# Altium PCB transmitter.PcbDoc
Units mil, origin at the board's own origin, x right, y up, seen from the top; angles counter-clockwise.
Board outline 2385 x 2355 mil, 2 copper layers (Top Layer, Bottom Layer); 6 components, 13 nets, 65 pads, 0 vias.
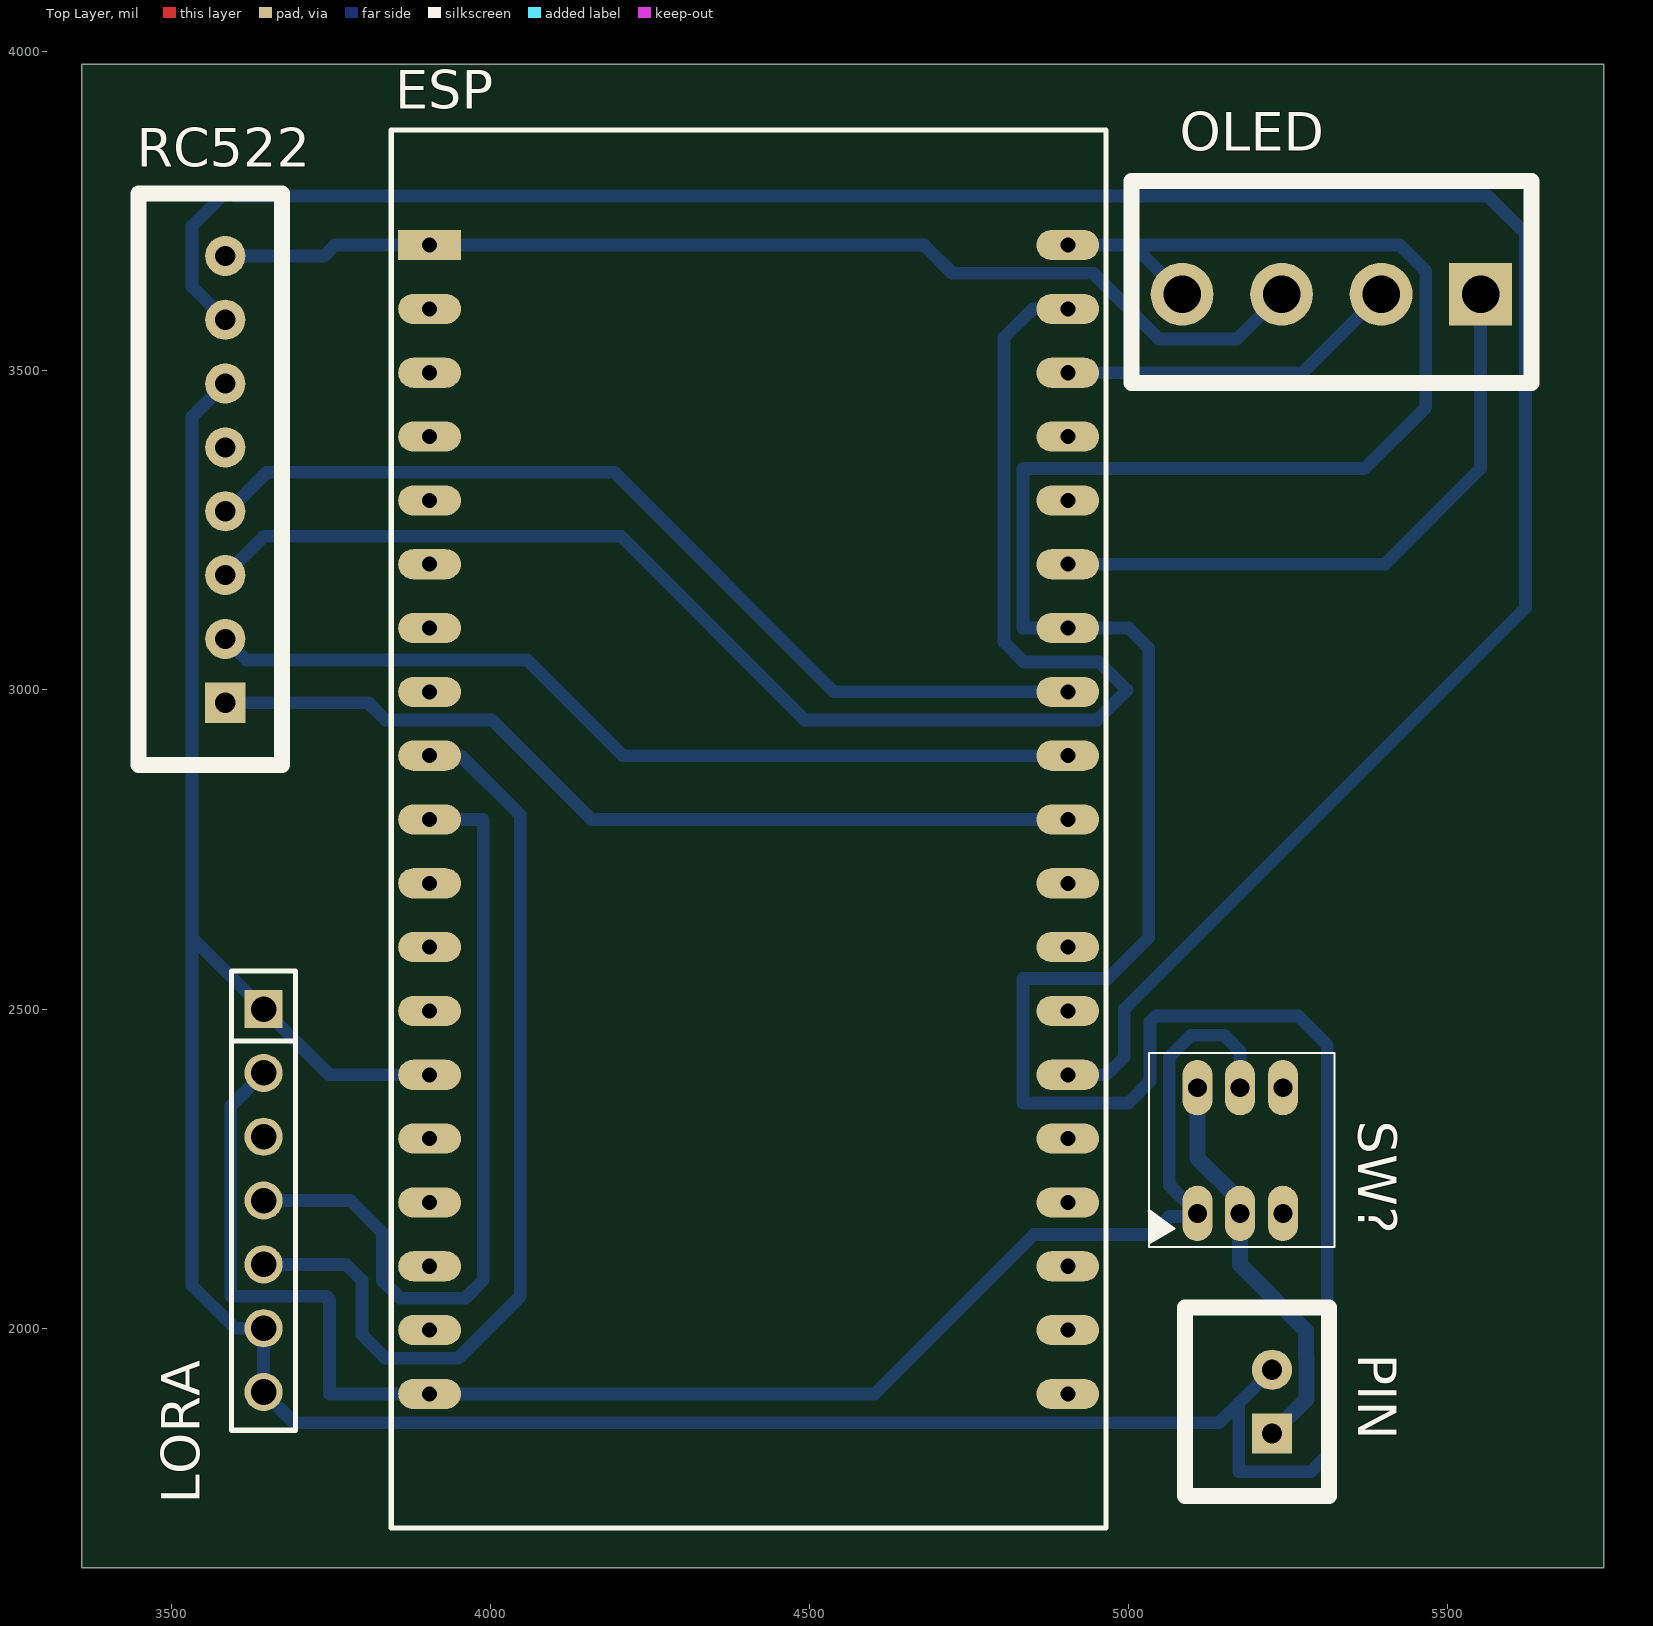
[diagram p0: Top Layer view]
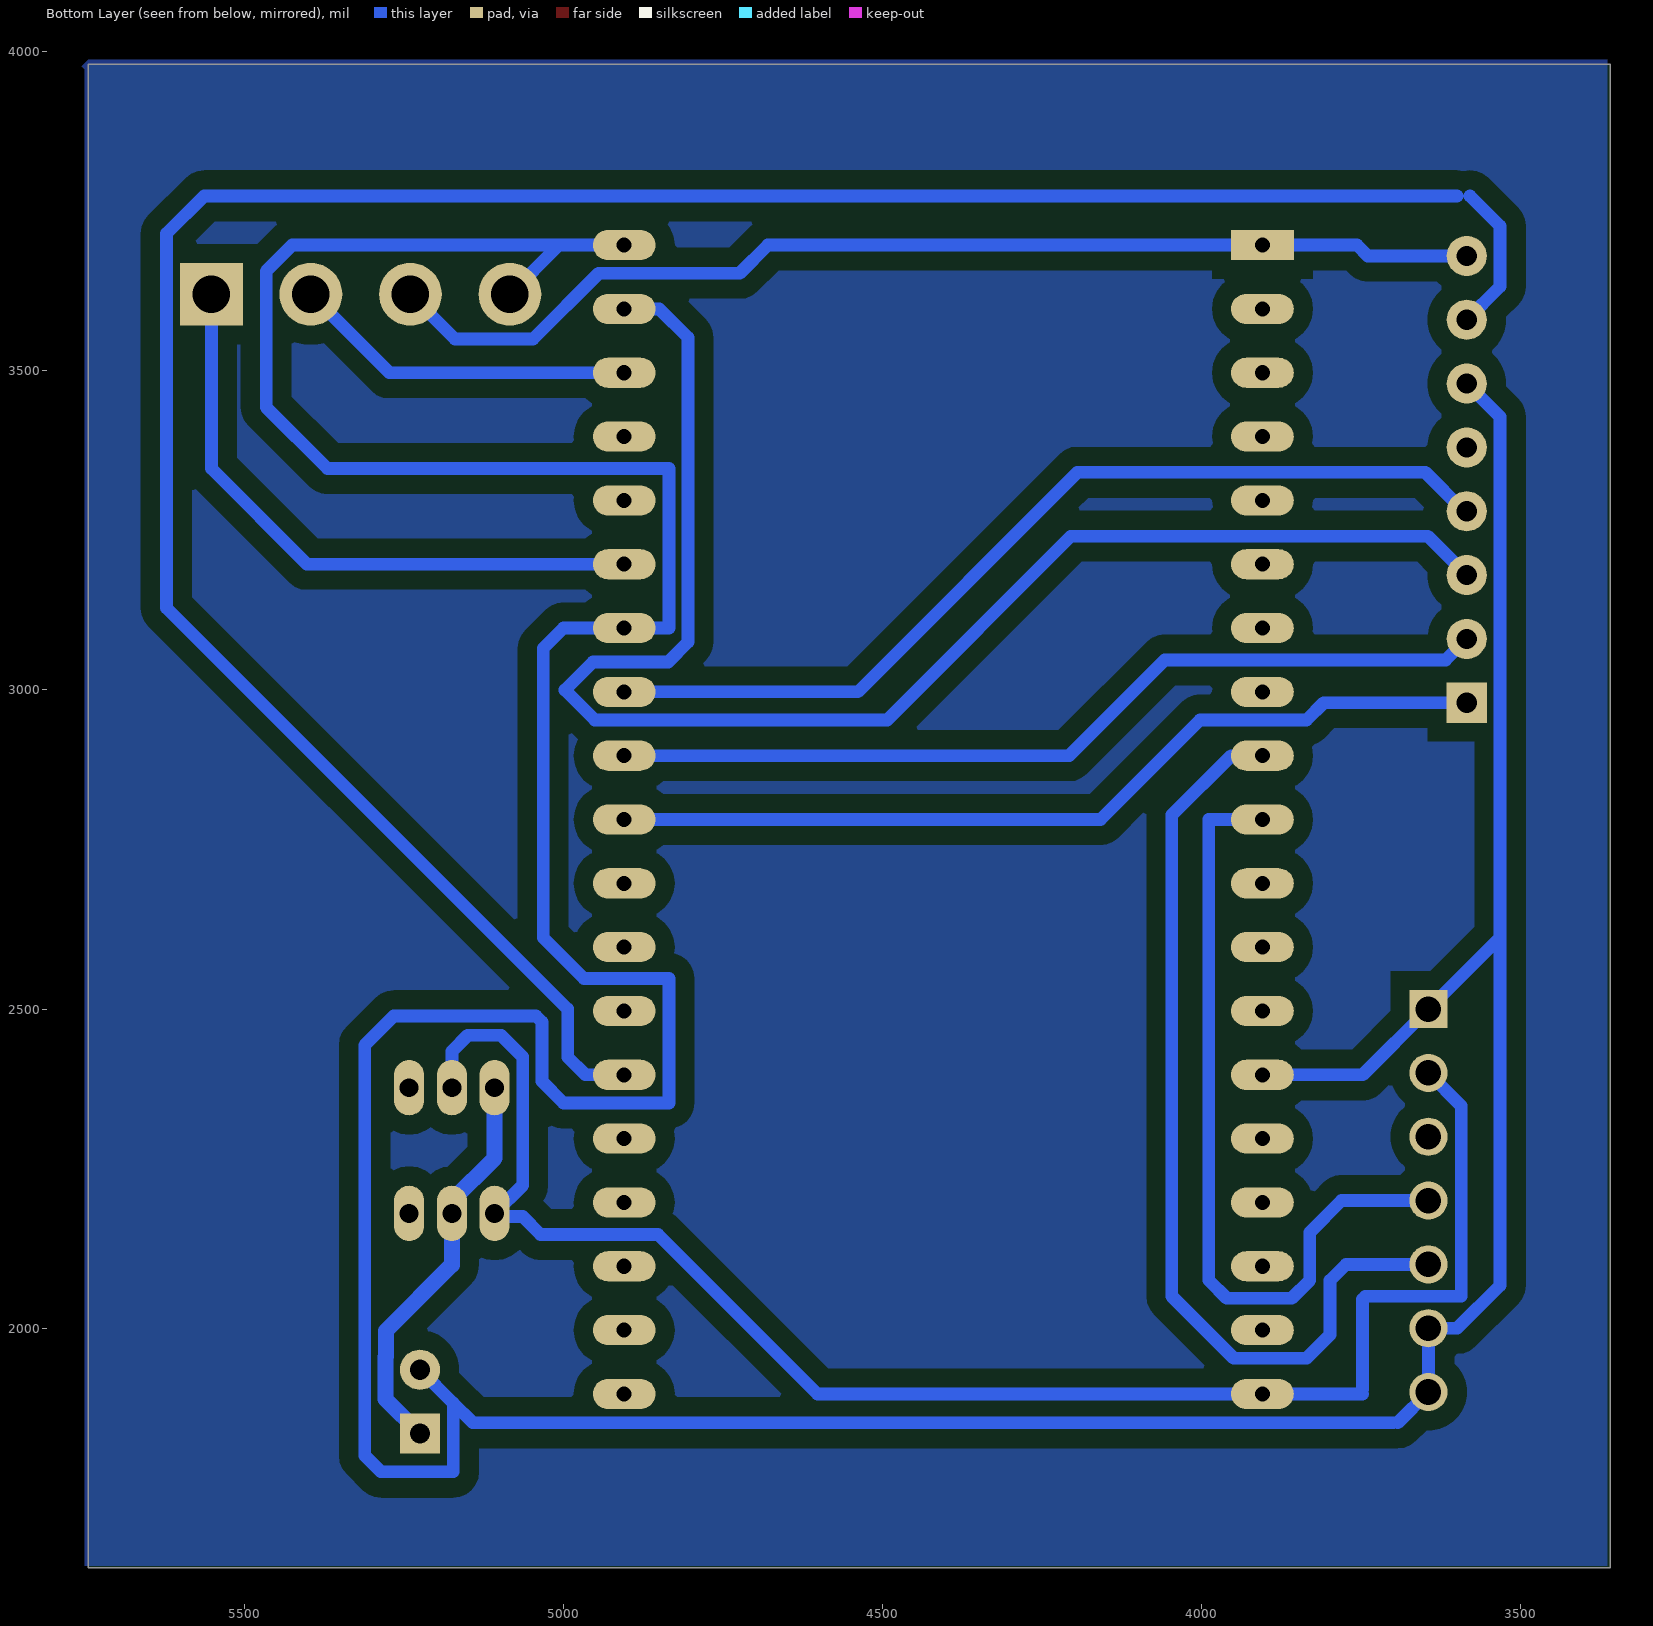
[diagram p1: Bottom Layer view, seen from below]
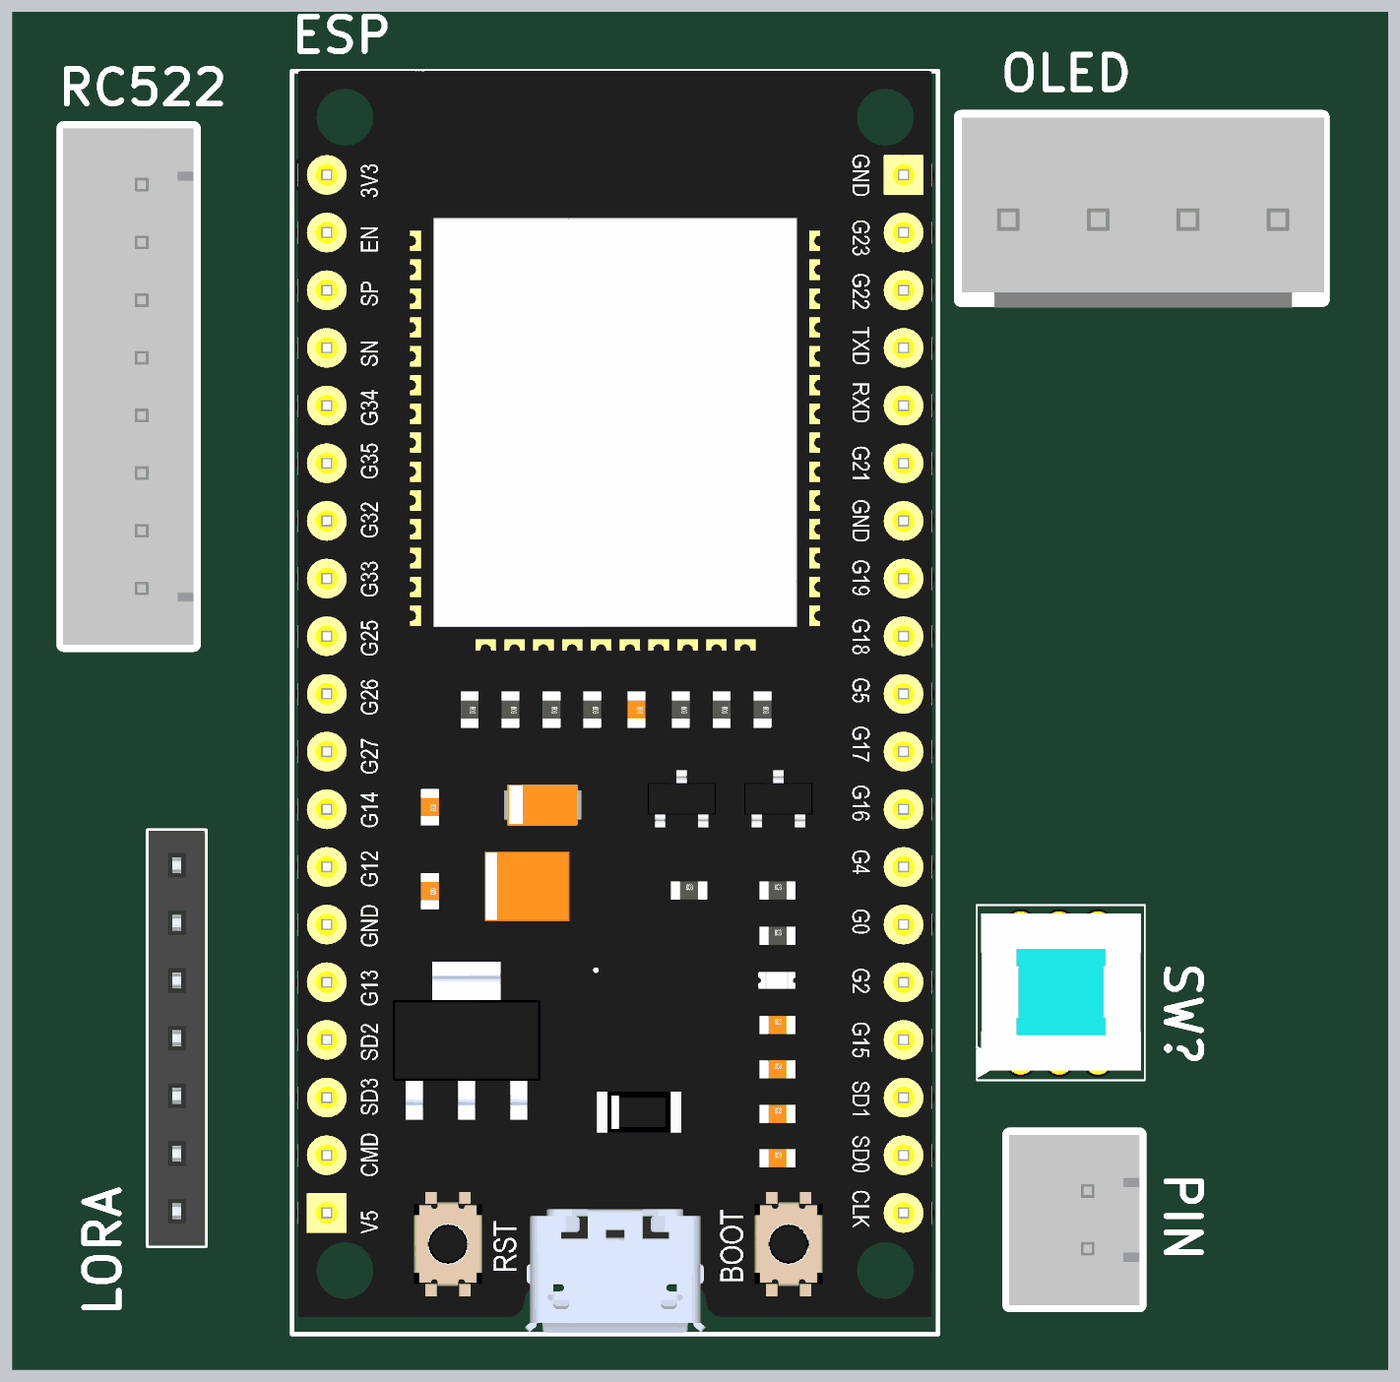
[diagram p2: 3D render of the assembled board from above, using the file's embedded part models]

## Layer stack, top to bottom
Top Solder: solder mask 0.4, Solder Resist, Dk 3.5
Top Layer: signal copper 1.4
Dielectric 1: dielectric 12.6, FR-4, Dk 4.8
Bottom Layer: signal copper 1.4
Bottom Solder: solder mask 0.4, Solder Resist, Dk 3.5

## Board outline
3360,1625 5745,1625 5745,3980 3360,3980

## Design rules (kind name [scope] priority, off if disabled: settings)
Clearance [All] p1: gap=10 ignorepadtopadclearanceinfootprint=FALSE except(0: Arc-Hole Track-Hole SMDPad-Hole THPad-Hole Via-Hole Fill-Hole Poly-Hole Region-Hole Text-Hole; 30: Arc-Fill Arc-Poly Arc-Region Track-Fill Track-Poly Track-Region SMDPad-Fill SMDPad-Poly SMDPad-Region THPad-Fill THPad-Poly THPad-Region Via-Fill Via-Poly Via-Region Fill-Fill Fill-Poly Fill-Region Poly-Poly Poly-Region Region-Region)
PolygonConnect [All] p1: connectstyle=Relief reliefconductorwidth=10 reliefentries=4 polygonreliefangle="90 Angle" airgapwidth=10
RoutingLayers [All] p1: top layer_v5=FALSE bottom layer_v5=TRUE
RoutingVias [All] p1: holewidth=15.75 width=31.5 viastyle="Through Hole" minholewidth=15.75 minwidth=31.5 maxholewidth=15.75 maxwidth=31.5
SolderMaskExpansion [All] p1: expansion=4 istentingtop=FALSE
Width [All] p1: maxlimit=25 minlimit=20 preferedwidth=20
29 further rules are at their usual default settings.

## Classes and differential pairs
component class Sheet2: ESP LORA PIN RC522 SW?

## Components (designator, comment, footprint, x,y, rotation, side; value= is the part's Value field where it differs from the comment)
ESP "ESP32 DEV KIT" "ESP32 DEVKIT" 3905,3697.05 r0 top (schematic designator *)
LORA "Lora E32" "JP 1x7 CT" 3645,2500 r270 top (schematic designator JP?)
OLED "Oled" VH3.96M-4 5473.86,3620 r180 top (schematic designator H?)
PIN "Header 2P 2.54 Duc Thang" XH2.54M-2 5225,1835 r90 top (schematic designator ?)
RC522 "Header 8P 2.54 Duc Thang" XH2.54M-8 3585,2980 r90 top (schematic designator H?)
SW? "INI PUSH BUTTON SWITCH 4-PIN" SW_70_31.5D47_TH_ST 5108.07,2180 r0 top

## Footprints (in the part's own frame and the unit in brackets; to place one, negate y for a bottom-side part, rotate by r counter-clockwise, add the part's x,y. Pads: shape width x height; smd on the part's side, far side on the other; paste and mask are expansions set on the pad)
"ESP32 DEVKIT" [mm]
  rect 2.5x1.2 hole 0.6: 1(0,0)
  oval 2.5x1.2 hole 0.6: 2(0,-2.54) 3(0,-5.08) 4(0,-7.62) 5(0,-10.16) 6(0,-12.7) 7(0,-15.24) 8(0,-17.78) 9(0,-20.32) 10(0,-22.86) 11(0,-25.4) 12(0,-27.94) 13(0,-30.48) 14(0,-33.02) 15(0,-35.56) 16(0,-38.1) 17(0,-40.64) 18(0,-43.18) 19(0,-45.72) 20(25.4,-45.72) 21(25.4,-43.18) 22(25.4,-40.64) 23(25.4,-38.1) 24(25.4,-35.56) 25(25.4,-33.02) 26(25.4,-30.48) 27(25.4,-27.94) 28(25.4,-25.4) 29(25.4,-22.86) 30(25.4,-20.32) 31(25.4,-17.78) 32(25.4,-15.24) 33(25.4,-12.7) 34(25.4,-10.16) 35(25.4,-7.62) 36(25.4,-5.08) 37(25.4,-2.54) 38(25.4,0)
  silkscreen extent -1.52,-51.05 26.92,4.57, body extent -1.27,-50.99 26.67,4.59, height 9.68
"JP 1x7 CT" [mm] "7 row, straight, gold plating"
  rect 1.52x1.52 hole 1.02: 1(0,0)
  round 1.52 hole 1.02: 2(2.54,0) 3(5.08,0) 4(7.62,0) 5(10.16,0) 6(12.7,0) 7(15.24,0)
  silkscreen extent -1.52,-1.27 16.76,1.27, body extent -1.52,-1.25 16.76,1.25, height 8.51
SW_70_31.5D47_TH_ST [mm] "CASE: TH"
  oval 1.2x2.2 hole 0.75: 0(3.4,0) 0(3.4,5) 1(0,0) 2(1.7,0) 3(1.7,5) 4(0,5)
  silkscreen extent -1.98,-1.35 5.46,6.38, body extent -1.74,-0.91 5.3,5.99, height 13.54
VH3.96M-4 [mm]
  rect 2.5x2.5 hole 1.5: 1(-1.98,0)
  round 2.5 hole 1.5: 2(1.98,0) 3(5.94,0) 4(9.9,0)
  silkscreen extent -4,-4.5 11.92,3.54, body extent -4.08,-4.49 11.88,3.88, height 10.26
XH2.54M-2 [mm]
  rect 1.6x1.6 hole 0.8: 1(0,0)
  round 1.6 hole 0.8: 2(2.54,0)
  silkscreen extent -2.48,-2.26 5.02,3.46, body extent -2.48,-2.26 5.02,3.48, height 6.91
XH2.54M-8 [mm]
  rect 1.6x1.6 hole 0.8: 1(0,0)
  round 1.6 hole 0.8: 2(2.54,0) 3(5.08,0) 4(7.62,0) 5(10.16,0) 6(12.7,0) 7(15.24,0) 8(17.78,0)
  silkscreen extent -2.48,-2.26 20.26,3.46, body extent -2.48,-2.26 20.26,3.48, height 6.91

## Part data
LORA: library part "JP 1x7 2.54 Cai Thang", "Cắm", Chung_Loai=Cắm, Don_Vi=Con, Ma_Hang=MH004006, Ten_Linh_Kien="Jump Đơn Cái 2.54MM 1x20P Thẳng"
OLED: library part "Header 4P VH3.96 Duc Thang", "Cắm", Chung_Loai=Cắm, Don_Vi=Con, Ma_Hang=MH001285, Ten_Linh_Kien="Header 4P XH2.54-4P Đực Thẳng"
PIN RC522: "Cắm", Chung_Loai=Cắm, Don_Vi=Con
  PIN: Ma_Hang=MH001283, Ten_Linh_Kien="Header 2P XH2.54-2P Đực Thẳng"
  RC522: Ma_Hang=MH003366, Ten_Linh_Kien="Header 8P XH2.54-8P Đực Thẳng"
SW?: library part SW2_BUTT-4-TH, "Tactile Switches MINI PUSH BUTTON SWITCH 4-PIN QTY. 4", Alternate Part Number-1=NA, Case/Package=TH, Manufacturer=Gravitech, Manufacturer Part Number=BUTT-4, Supplier Part Number-1=BUTT-4, Supplier-1="SP ROAD"

## Nets (pads, with @x,y where several pads share a name; then routed paths per layer and width w, separated by ;. In a path a pad name is that pad's centre, name@x,y a point inside that pad or via, vN(x,y) a via of type N, cw(c..) or ccw(c..) an arc to the next point about the centre after c; other vN are vias at no path point)
+3: ESP.1 OLED.3 RC522.8 | length 1752
  Bottom Layer w20: RC522.8 3740,3680 3757.05,3697.05 4679.95,3697.05 4724,3653 4945,3653 5048,3550 5170,3550 OLED.3
+5: ESP.19 LORA.2 SW?.1 SW?.3 | length 2604.3
  Bottom Layer w20: LORA.2 3593.68,2348.68 3593.68,2050.08 3743.52,2050.08 3748.35,2045.25 3748.35,1904.52 ; 3748.35,1897.05 ESP.19 4602.05,1897.05 4852,2147 5036,2147 5064,2175 5108.07,2175 SW?.1 5064,2224.07 5064,2425 5098,2459 5150,2459 5175,2434 SW?.3
M0: ESP.14 ESP.32 ESP.38 LORA.1 LORA.6 LORA.7 OLED.4 PIN.2 RC522.6 | length 8171.2
  Bottom Layer w20: RC522.6 3533,3428 3533,2612 ; 3693,1852 LORA.7 LORA.6 3600.08,2000 3533,2067.08 3533,2612 ; 3700,1852 5142,1852 5173,1883 ; ESP.14 3747.95,2397.05 LORA.1 3533,2612 ; ESP.38 5007.05,3697.05 ; OLED.4 5007.05,3697.05 ; PIN.2 5173,1883 ; 5007.05,3697.05 5425,3697.05 5466,3656.05 5466,3443 5370,3347 4835,3347 4835,3097.05 ESP.32 5000,3097.05 5032,3065.05 5032,2612 4968,2548 4835,2548 4835,2353 5000,2353 5034,2387 5034,2479.86 5043.14,2489 5266,2489 5311.5,2443.5 5311.5,1800.5 5286,1775 5173,1775 5173,1883
Miso: ESP.31 RC522.4 | length 1487.7
  Bottom Layer w20: RC522.4 3589,3280 3650,3341 4195,3341 4538.95,2997.05 ESP.31
Mosi: ESP.37 RC522.3 | length 2396.8
  Bottom Layer w20: RC522.3 3646,3241 4205,3241 4493,2953 4951,2953 4998,3000 4954,3044 4836,3044 4805,3075 4805,3552.05 4850,3597.05 ESP.37
Net?_1: PIN.1 SW?.2 SW?.4 | length 635
  Bottom Layer w25: SW?.4 5108.07,2266.61 5175,2199.68 SW?.2 5175,2099.19 5278.5,1995.69 5278.5,1955.5 5279,1955 5279,1889 PIN.1
Reset: ESP.25 RC522.7 | length 3931.9
  Bottom Layer w20: 3580,3774 3533,3727 3533,3632 RC522.7 ; 3600,3774 5563,3774 5622,3715 5622,3128.38 4993.62,2500 4993.62,2425 4965.67,2397.05 ESP.25
RX2: ESP.9 LORA.5 | length 1467.6
  Bottom Layer w20: LORA.5@3665,2100 3774,2100 3799,2075 3799,1989.79 3835.79,1953 3950,1953 4047,2050 4047,2804.05 3954,2897.05 ESP.9
SCK: ESP.30 RC522.2 | length 1395.8
  Bottom Layer w20: RC522.2 3618,3047 4058,3047 4207.95,2897.05 ESP.30
SCL: ESP.36 OLED.2 | length 541.8
  Bottom Layer w20: ESP.36 5272.95,3497.05 OLED.2
SDA: ESP.33 OLED.1 | length 982
  Bottom Layer w20: ESP.33 5402.05,3197.05 5551.81,3346.81 OLED.1
SDA1: ESP.29 RC522.1 | length 1375.8
  Bottom Layer w20: RC522.1@3605,2980 3809,2980 3836,2953 4003,2953 4158.95,2797.05 ESP.29
TX2: ESP.10 LORA.4 | length 1249
  Bottom Layer w20: LORA.4@3665,2200 3781,2200 3831,2150 3831,2075 3859,2047 3961,2047 3989,2075 3989,2797.05 ESP.10
pads on no net: ESP.2 ESP.3 ESP.4 ESP.5 ESP.6 ESP.7 ESP.8 ESP.11 ESP.12 ESP.13 ESP.15 ESP.16 ESP.17 ESP.18 ESP.20 ESP.21 ESP.22 ESP.23 ESP.24 ESP.26 ESP.27 ESP.28 ESP.34 ESP.35 LORA.3 RC522.5 SW?.0

## Polygon pours and split planes (outlines as drawn)
no net on Bottom Layer "NONET_L02_P000" (solid, pour order 0): 3365,3987.5 5745,3987.5 5755,3977.5 5750,3972.5 5750,1627.5 3365,1627.5